# KiCad board backplane.20-slot.kicad_pcb
date: 2024-10-28; rev: V1.0
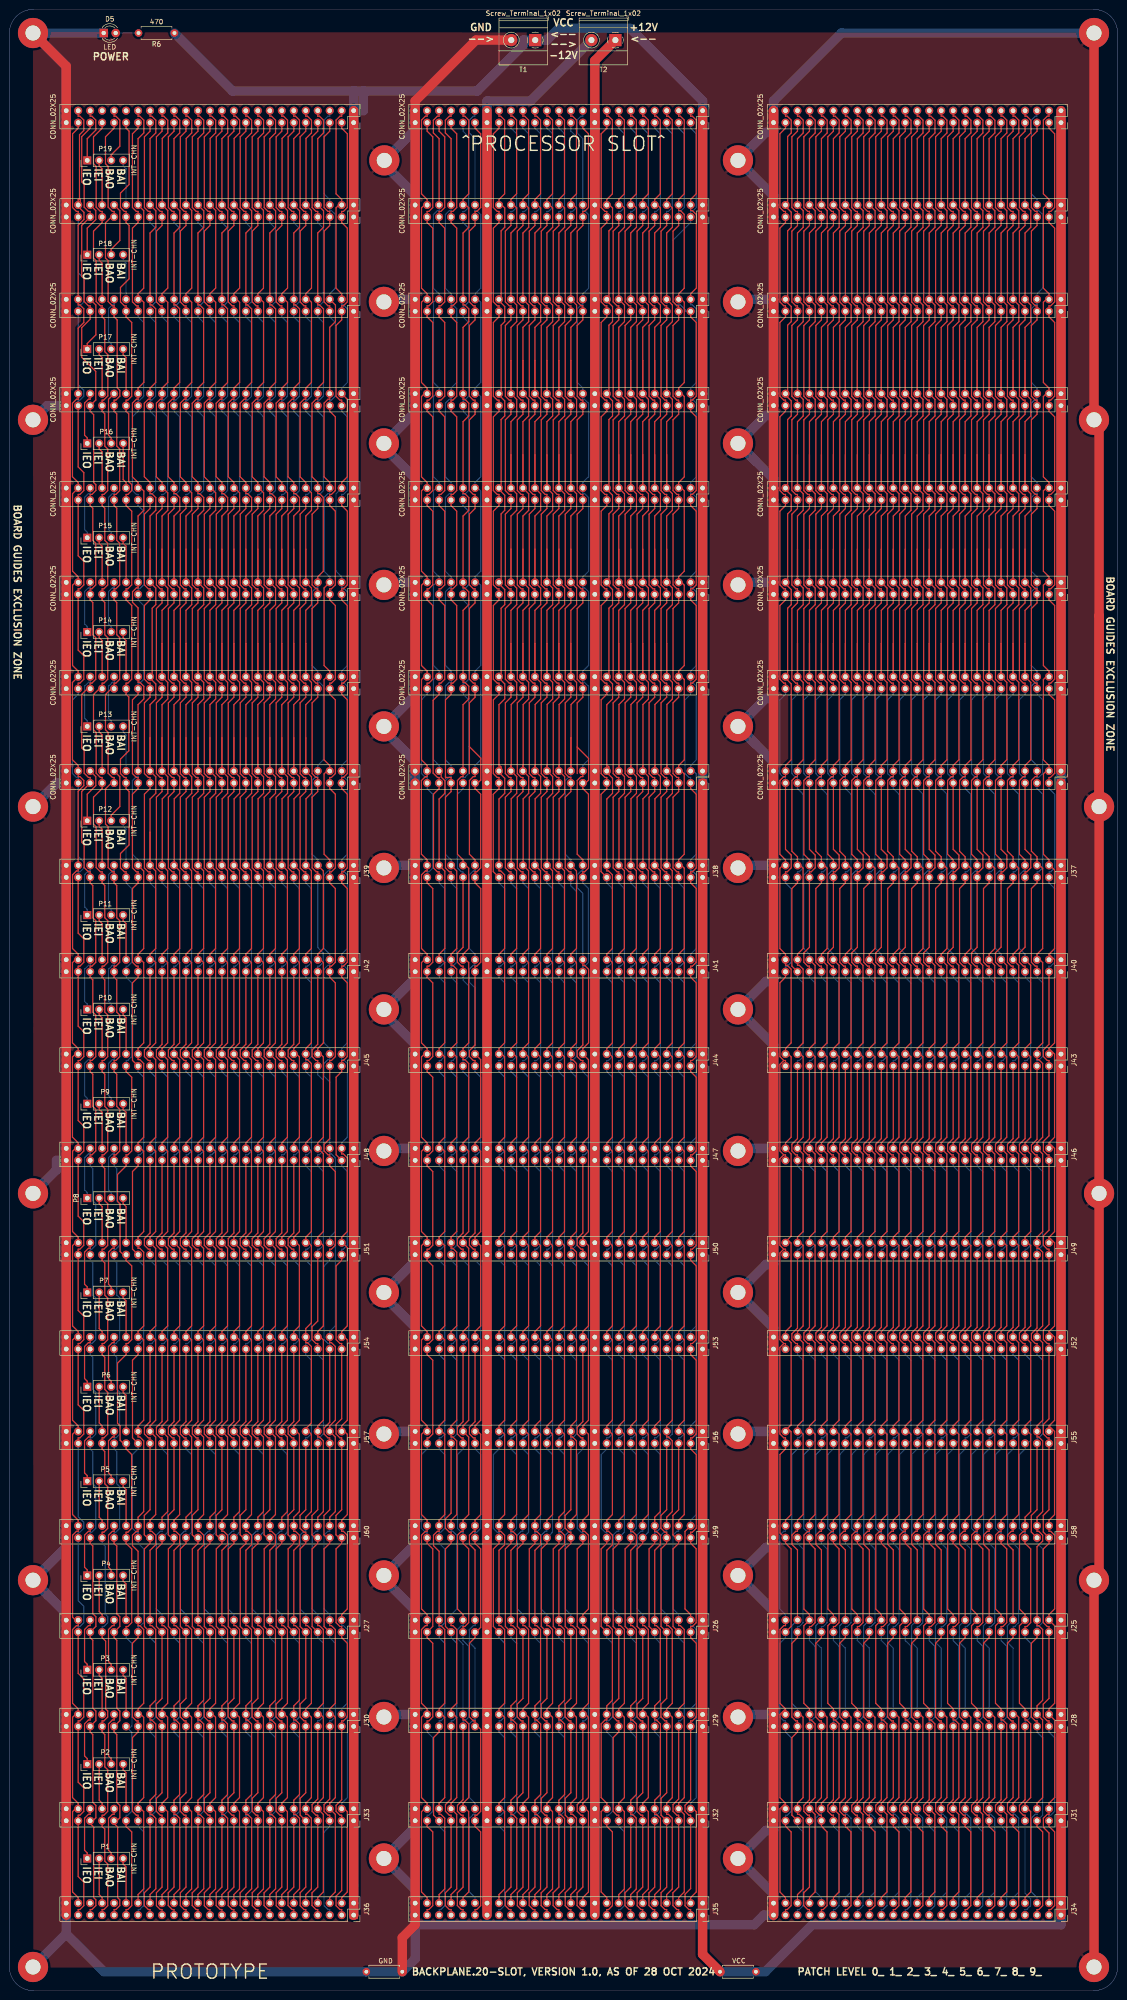
[diagram p0: board, top side]
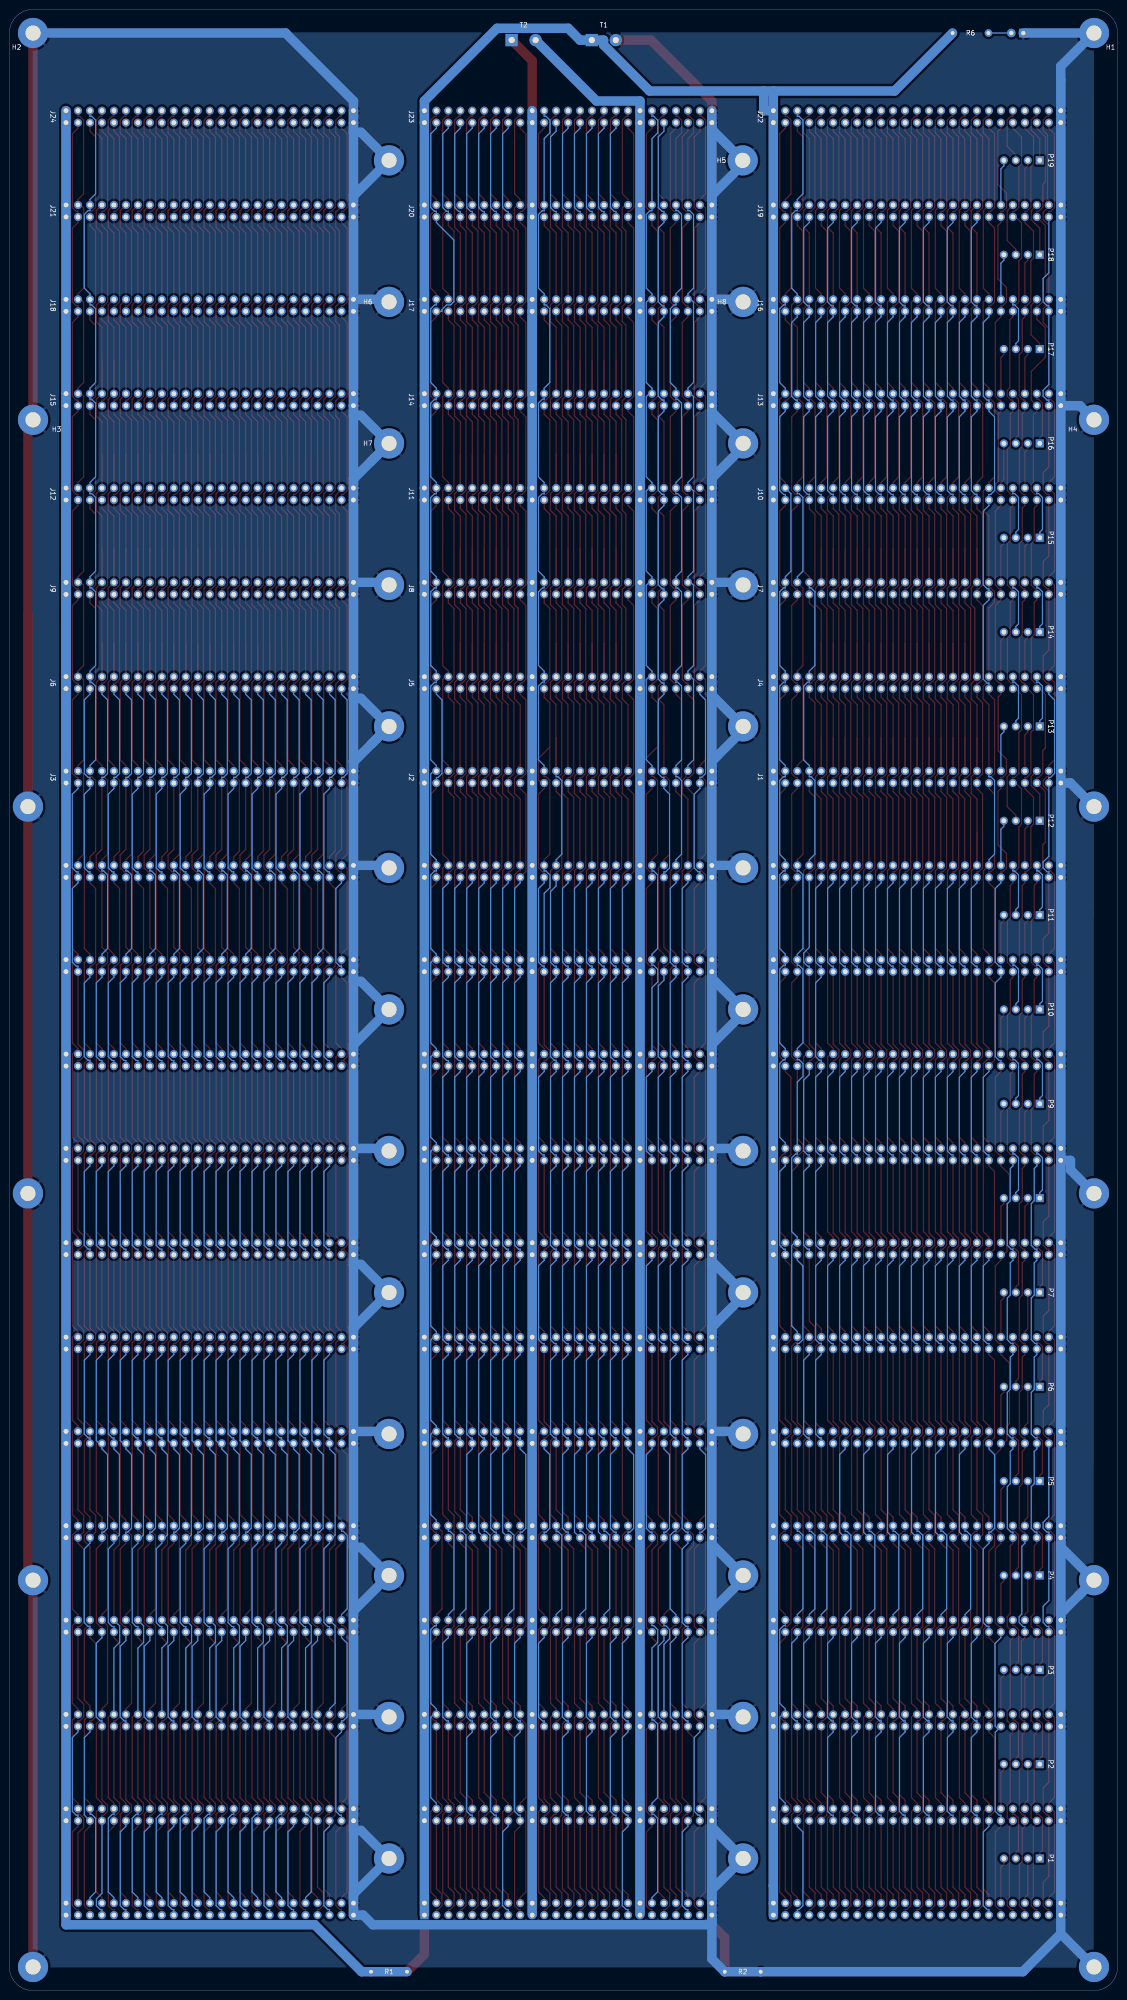
[diagram p1: board, bottom side, seen from below]

Outline 235 x 420 mm; copper layers: Top, Bottom. Coordinates in mm from the lower left corner of the outline.
Outline path: 0,415 0,5 arc(1.46,1.46) 5,0 230,0 arc(233.54,1.46) 235,5 235,415 arc(233.54,418.54) 230,420 5,420 arc(1.46,418.54) 0,415

## Placement (name value [footprint] x y rotation side)
D5  LED  [LED_D3.0mm]  20 415 0 top
H1  MountingHole  [MountingHole_3.2mm_M3_Pad]  5 415 0 top
H2  MountingHole  [MountingHole_3.2mm_M3_Pad]  230 415 0 top
H3  MountingHole  [MountingHole_3.2mm_M3_Pad]  230 333 0 top
H4  MountingHole  [MountingHole_3.2mm_M3_Pad]  5 333 0 top
H5  MountingHole  [MountingHole_3.2mm_M3_Pad]  79.5 388 0 top
H6  MountingHole  [MountingHole_3.2mm_M3_Pad]  154.5 358 0 top
H7  MountingHole  [MountingHole_3.2mm_M3_Pad]  154.5 328 0 top
H8  MountingHole  [MountingHole_3.2mm_M3_Pad]  79.41 358 0 top
H9  MountingHole  [MountingHole_3.2mm_M3_Pad]  154.5 118 0 top
H10  MountingHole  [MountingHole_3.2mm_M3_Pad]  5 169 0 top
H11  MountingHole  [MountingHole_3.2mm_M3_Pad]  154.5 208 0 top
H12  MountingHole  [MountingHole_3.2mm_M3_Pad]  154.5 388 0 top
H13  MountingHole  [MountingHole_3.2mm_M3_Pad]  154.5 148 0 top
H14  MountingHole  [MountingHole_3.2mm_M3_Pad]  231.08 169 0 top
H15  MountingHole  [MountingHole_3.2mm_M3_Pad]  154.5 268 0 top
H16  MountingHole  [MountingHole_3.2mm_M3_Pad]  231.08 251 0 top
H17  MountingHole  [MountingHole_3.2mm_M3_Pad]  154.5 298 0 top
H18  MountingHole  [MountingHole_3.2mm_M3_Pad]  79.41 328 0 top
H19  MountingHole  [MountingHole_3.2mm_M3_Pad]  5 251 0 top
H20  MountingHole  [MountingHole_3.2mm_M3_Pad]  154.5 178 0 top
H21  MountingHole  [MountingHole_3.2mm_M3_Pad]  5 5 0 top
H22  MountingHole  [MountingHole_3.2mm_M3_Pad]  230 5 0 top
H23  MountingHole  [MountingHole_3.2mm_M3_Pad]  154.5 88 0 top
H24  MountingHole  [MountingHole_3.2mm_M3_Pad]  154.5 238 0 top
H25  MountingHole  [MountingHole_3.2mm_M3_Pad]  79.41 88 0 top
H26  MountingHole  [MountingHole_3.2mm_M3_Pad]  79.41 298 0 top
H27  MountingHole  [MountingHole_3.2mm_M3_Pad]  79.41 148 0 top
H28  MountingHole  [MountingHole_3.2mm_M3_Pad]  79.41 268 0 top
H29  MountingHole  [MountingHole_3.2mm_M3_Pad]  79.41 208 0 top
H30  MountingHole  [MountingHole_3.2mm_M3_Pad]  79.41 238 0 top
H31  MountingHole  [MountingHole_3.2mm_M3_Pad]  79.41 118 0 top
H32  MountingHole  [MountingHole_3.2mm_M3_Pad]  79.41 178 0 top
H33  MountingHole  [MountingHole_3.2mm_M3_Pad]  79.41 28 0 top
H35  MountingHole  [MountingHole_3.2mm_M3_Pad]  230 87 0 top
H36  MountingHole  [MountingHole_3.2mm_M3_Pad]  154.5 58 0 top
H37  MountingHole  [MountingHole_3.2mm_M3_Pad]  154.5 28 0 top
H38  MountingHole  [MountingHole_3.2mm_M3_Pad]  79.41 58 0 top
H40  MountingHole  [MountingHole_3.2mm_M3_Pad]  5 87 0 top
J1  CONN_02X25  [PinSocket_2x25_P2.54mm_Vertical]  73 256 270 top
J2  CONN_02X25  [PinSocket_2x25_P2.54mm_Vertical]  147 256 270 top
J3  CONN_02X25  [PinSocket_2x25_P2.54mm_Vertical]  223 256 270 top
J4  CONN_02X25  [PinSocket_2x25_P2.54mm_Vertical]  73 276 270 top
J5  CONN_02X25  [PinSocket_2x25_P2.54mm_Vertical]  147 276 270 top
J6  CONN_02X25  [PinSocket_2x25_P2.54mm_Vertical]  223 276 270 top
J7  CONN_02X25  [PinSocket_2x25_P2.54mm_Vertical]  73 296 270 top
J8  CONN_02X25  [PinSocket_2x25_P2.54mm_Vertical]  147 296 270 top
J9  CONN_02X25  [PinSocket_2x25_P2.54mm_Vertical]  223 296 270 top
J10  CONN_02X25  [PinSocket_2x25_P2.54mm_Vertical]  73 316 270 top
J11  CONN_02X25  [PinSocket_2x25_P2.54mm_Vertical]  147 316 270 top
J12  CONN_02X25  [PinSocket_2x25_P2.54mm_Vertical]  223 316 270 top
J13  CONN_02X25  [PinSocket_2x25_P2.54mm_Vertical]  73 336 270 top
J14  CONN_02X25  [PinSocket_2x25_P2.54mm_Vertical]  147 336 270 top
J15  CONN_02X25  [PinSocket_2x25_P2.54mm_Vertical]  223 336 270 top
J16  CONN_02X25  [PinSocket_2x25_P2.54mm_Vertical]  73 356 270 top
J17  CONN_02X25  [PinSocket_2x25_P2.54mm_Vertical]  147 356 270 top
J18  CONN_02X25  [PinSocket_2x25_P2.54mm_Vertical]  223 356 270 top
J19  CONN_02X25  [PinSocket_2x25_P2.54mm_Vertical]  73 376 270 top
J20  CONN_02X25  [PinSocket_2x25_P2.54mm_Vertical]  147 376 270 top
J21  CONN_02X25  [PinSocket_2x25_P2.54mm_Vertical]  223 376 270 top
J22  CONN_02X25  [PinSocket_2x25_P2.54mm_Vertical]  73 396 270 top
J23  CONN_02X25  [PinSocket_2x25_P2.54mm_Vertical]  147 396 270 top
J24  CONN_02X25  [PinSocket_2x25_P2.54mm_Vertical]  223 396 270 top
J25  CONN_02X25  [PinSocket_2x25_P2.54mm_Vertical]  223 76 270 top
J26  CONN_02X25  [PinSocket_2x25_P2.54mm_Vertical]  147 76 270 top
J27  CONN_02X25  [PinSocket_2x25_P2.54mm_Vertical]  73 76 270 top
J28  CONN_02X25  [PinSocket_2x25_P2.54mm_Vertical]  223 56 270 top
J29  CONN_02X25  [PinSocket_2x25_P2.54mm_Vertical]  147 56 270 top
J30  CONN_02X25  [PinSocket_2x25_P2.54mm_Vertical]  73 56 270 top
J31  CONN_02X25  [PinSocket_2x25_P2.54mm_Vertical]  223 36 270 top
J32  CONN_02X25  [PinSocket_2x25_P2.54mm_Vertical]  147 36 270 top
J33  CONN_02X25  [PinSocket_2x25_P2.54mm_Vertical]  73 36 270 top
J34  CONN_02X25  [PinSocket_2x25_P2.54mm_Vertical]  223 16 270 top
J35  CONN_02X25  [PinSocket_2x25_P2.54mm_Vertical]  147 16 270 top
J36  CONN_02X25  [PinSocket_2x25_P2.54mm_Vertical]  73 16 270 top
J37  CONN_02X25  [PinSocket_2x25_P2.54mm_Vertical]  223 236 270 top
J38  CONN_02X25  [PinSocket_2x25_P2.54mm_Vertical]  147 236 270 top
J39  CONN_02X25  [PinSocket_2x25_P2.54mm_Vertical]  73 236 270 top
J40  CONN_02X25  [PinSocket_2x25_P2.54mm_Vertical]  223 216 270 top
J41  CONN_02X25  [PinSocket_2x25_P2.54mm_Vertical]  147 216 270 top
J42  CONN_02X25  [PinSocket_2x25_P2.54mm_Vertical]  73 216 270 top
J43  CONN_02X25  [PinSocket_2x25_P2.54mm_Vertical]  223 196 270 top
J44  CONN_02X25  [PinSocket_2x25_P2.54mm_Vertical]  147 196 270 top
J45  CONN_02X25  [PinSocket_2x25_P2.54mm_Vertical]  73 196 270 top
J46  CONN_02X25  [PinSocket_2x25_P2.54mm_Vertical]  223 176 270 top
J47  CONN_02X25  [PinSocket_2x25_P2.54mm_Vertical]  147 176 270 top
J48  CONN_02X25  [PinSocket_2x25_P2.54mm_Vertical]  73 176 270 top
J49  CONN_02X25  [PinSocket_2x25_P2.54mm_Vertical]  223 156 270 top
J50  CONN_02X25  [PinSocket_2x25_P2.54mm_Vertical]  147 156 270 top
J51  CONN_02X25  [PinSocket_2x25_P2.54mm_Vertical]  73 156 270 top
J52  CONN_02X25  [PinSocket_2x25_P2.54mm_Vertical]  223 136 270 top
J53  CONN_02X25  [PinSocket_2x25_P2.54mm_Vertical]  147 136 270 top
J54  CONN_02X25  [PinSocket_2x25_P2.54mm_Vertical]  73 136 270 top
J55  CONN_02X25  [PinSocket_2x25_P2.54mm_Vertical]  223 116 270 top
J56  CONN_02X25  [PinSocket_2x25_P2.54mm_Vertical]  147 116 270 top
J57  CONN_02X25  [PinSocket_2x25_P2.54mm_Vertical]  73 116 270 top
J58  CONN_02X25  [PinSocket_2x25_P2.54mm_Vertical]  223 96 270 top
J59  CONN_02X25  [PinSocket_2x25_P2.54mm_Vertical]  147 96 270 top
J60  CONN_02X25  [PinSocket_2x25_P2.54mm_Vertical]  73 96 270 top
P1  INT-CHN  [PinHeader_1x04_P2.54mm_Vertical]  16.5 28 90 top
P2  INT-CHN  [PinHeader_1x04_P2.54mm_Vertical]  16.5 48 90 top
P3  INT-CHN  [PinHeader_1x04_P2.54mm_Vertical]  16.5 68 90 top
P4  INT-CHN  [PinHeader_1x04_P2.54mm_Vertical]  16.5 88 90 top
P5  INT-CHN  [PinHeader_1x04_P2.54mm_Vertical]  16.5 108 90 top
P6  INT-CHN  [PinHeader_1x04_P2.54mm_Vertical]  16.5 128 90 top
P7  INT-CHN  [PinHeader_1x04_P2.54mm_Vertical]  16.5 148 90 top
P8  INT-CHN  [PinHeader_1x04_P2.54mm_Vertical]  16.5 168 90 top
P9  INT-CHN  [PinHeader_1x04_P2.54mm_Vertical]  16.5 188 90 top
P10  INT-CHN  [PinHeader_1x04_P2.54mm_Vertical]  16.5 208 90 top
P11  INT-CHN  [PinHeader_1x04_P2.54mm_Vertical]  16.5 228 90 top
P12  INT-CHN  [PinHeader_1x04_P2.54mm_Vertical]  16.5 248 90 top
P13  INT-CHN  [PinHeader_1x04_P2.54mm_Vertical]  16.5 268 90 top
P14  INT-CHN  [PinHeader_1x04_P2.54mm_Vertical]  16.5 288 90 top
P15  INT-CHN  [PinHeader_1x04_P2.54mm_Vertical]  16.5 308 90 top
P16  INT-CHN  [PinHeader_1x04_P2.54mm_Vertical]  16.5 328 90 top
P17  INT-CHN  [PinHeader_1x04_P2.54mm_Vertical]  16.5 348 90 top
P18  INT-CHN  [PinHeader_1x04_P2.54mm_Vertical]  16.5 368 90 top
P19  INT-CHN  [PinHeader_1x04_P2.54mm_Vertical]  16.5 388 90 top
R1  0  [R_Axial_DIN0207_L6.3mm_D2.5mm_P7.62mm_Horizontal]  150.69 4 0 top
R2  0  [R_Axial_DIN0207_L6.3mm_D2.5mm_P7.62mm_Horizontal]  75.69 4 0 top
R6  470  [R_Axial_DIN0207_L6.3mm_D2.5mm_P7.62mm_Horizontal]  35 415 180 top
T1  Screw_Terminal_1x02  [TerminalBlock_Phoenix_MKDS-1,5-2-5.08_1x02_P5.08mm_Horizontal]  111.5 413.5 180 top
T2  Screw_Terminal_1x02  [TerminalBlock_Phoenix_MKDS-1,5-2-5.08_1x02_P5.08mm_Horizontal]  128.5 413.5 180 top

## Footprints (pads in the part's own frame, mm; a bottom-side part is the same pattern mirrored in y, then rotated)
LED_D3.0mm
  rect 1.8x1.8 hole 0.9: 1(0,0)
  round 1.8 hole 0.9: 2(2.54,0)
MountingHole_3.2mm_M3_Pad
  round 6.4 hole 3.2: 1(0,0)
PinHeader_1x04_P2.54mm_Vertical
  rect 1.7x1.7 hole 1: 1(0,0)
  oval 1.7x1.7 hole 1: 2(0,-2.54) 3(0,-5.08) 4(0,-7.62)
PinSocket_2x25_P2.54mm_Vertical
  rect 1.7x1.7 hole 1: 1(0,0)
  oval 1.7x1.7 hole 1: 2(-2.54,0) 3(0,-2.54) 4(-2.54,-2.54) 5(0,-5.08) 6(-2.54,-5.08) 7(0,-7.62) 8(-2.54,-7.62) 9(0,-10.16) 10(-2.54,-10.16) 11(0,-12.7) 12(-2.54,-12.7) 13(0,-15.24) 14(-2.54,-15.24) 15(0,-17.78) 16(-2.54,-17.78) 17(0,-20.32) 18(-2.54,-20.32) 19(0,-22.86) 20(-2.54,-22.86) 21(0,-25.4) 22(-2.54,-25.4) 23(0,-27.94) 24(-2.54,-27.94) 25(0,-30.48) 26(-2.54,-30.48) 27(0,-33.02) 28(-2.54,-33.02) 29(0,-35.56) 30(-2.54,-35.56) 31(0,-38.1) 32(-2.54,-38.1) 33(0,-40.64) 34(-2.54,-40.64) 35(0,-43.18) 36(-2.54,-43.18) 37(0,-45.72) 38(-2.54,-45.72) 39(0,-48.26) 40(-2.54,-48.26) 41(0,-50.8) 42(-2.54,-50.8) 43(0,-53.34) 44(-2.54,-53.34) 45(0,-55.88) 46(-2.54,-55.88) 47(0,-58.42) 48(-2.54,-58.42) 49(0,-60.96) 50(-2.54,-60.96)
R_Axial_DIN0207_L6.3mm_D2.5mm_P7.62mm_Horizontal
  round 1.6 hole 0.8: 1(0,0)
  oval 1.6x1.6 hole 0.8: 2(7.62,0)
TerminalBlock_Phoenix_MKDS-1,5-2-5.08_1x02_P5.08mm_Horizontal
  rect 2.6x2.6 hole 1.3: 1(0,0)
  round 2.6 hole 1.3: 2(5.08,0)

## Nets
/+12V: J2.19 J2.20 J5.19 J5.20 J8.19 J8.20 J11.19 J11.20 J14.19 J14.20 J17.19 J17.20 J20.19 J20.20 J23.19 J23.20 J26.19 J26.20 J29.19 J29.20 J32.19 J32.20 J35.19 J35.20 J38.19 J38.20 J41.19 J41.20 J44.19 J44.20 J47.19 J47.20 J50.19 J50.20 J53.19 J53.20 J56.19 J56.20 J59.19 J59.20 T2.1
/-12V: J2.37 J2.38 J5.37 J5.38 J8.37 J8.38 J11.37 J11.38 J14.37 J14.38 J17.37 J17.38 J20.37 J20.38 J23.37 J23.38 J26.37 J26.38 J29.37 J29.38 J32.37 J32.38 J35.37 J35.38 J38.37 J38.38 J41.37 J41.38 J44.37 J44.38 J47.37 J47.38 J50.37 J50.38 J53.37 J53.38 J56.37 J56.38 J59.37 J59.38 T2.2
GND: D5.1 H1.1 H2.1 H3.1 H4.1 H5.1 H6.1 H7.1 H8.1 H9.1 H10.1 H11.1 H12.1 H13.1 H14.1 H15.1 H16.1 H17.1 H18.1 H19.1 H20.1 H21.1 H22.1 H23.1 H24.1 H25.1 H26.1 H27.1 H28.1 H29.1 H30.1 H31.1 H32.1 H33.1 H35.1 H36.1 H37.1 H38.1 H40.1 J1.49 J1.50 J2.49 J2.50 J3.49 J3.50 J4.49 J4.50 J5.49 J5.50 J6.49 J6.50 J7.49 J7.50 J8.49 J8.50 J9.49 J9.50 J10.49 J10.50 J11.49 J11.50 J12.49 J12.50 J13.49 J13.50 J14.49 J14.50 J15.49 J15.50 J16.49 J16.50 J17.49 J17.50 J18.49 J18.50 J19.49 J19.50 J20.49 J20.50 J21.49 J21.50 J22.49 J22.50 J23.49 J23.50 J24.49 J24.50 J25.49 J25.50 J26.49 J26.50 J27.49 J27.50 J28.49 J28.50 J29.49 J29.50 J30.49 J30.50 J31.49 J31.50 J32.49 J32.50 J33.49 J33.50 J34.49 J34.50 J35.49 J35.50 J36.49 J36.50 J37.49 J37.50 J38.49 J38.50 J39.49 J39.50 J40.49 J40.50 J41.49 J41.50 J42.49 J42.50 J43.49 J43.50 J44.49 J44.50 J45.49 J45.50 J46.49 J46.50 J47.49 J47.50 J48.49 J48.50 J49.49 J49.50 J50.49 J50.50 J51.49 J51.50 J52.49 J52.50 J53.49 J53.50 J54.49 J54.50 J55.49 J55.50 J56.49 J56.50 J57.49 J57.50 J58.49 J58.50 J59.49 J59.50 J60.49 J60.50 R2.1 R2.2 T1.2
VCC: J1.1 J1.2 J2.1 J2.2 J3.1 J3.2 J4.1 J4.2 J5.1 J5.2 J6.1 J6.2 J7.1 J7.2 J8.1 J8.2 J9.1 J9.2 J10.1 J10.2 J11.1 J11.2 J12.1 J12.2 J13.1 J13.2 J14.1 J14.2 J15.1 J15.2 J16.1 J16.2 J17.1 J17.2 J18.1 J18.2 J19.1 J19.2 J20.1 J20.2 J21.1 J21.2 J22.1 J22.2 J23.1 J23.2 J24.1 J24.2 J25.1 J25.2 J26.1 J26.2 J27.1 J27.2 J28.1 J28.2 J29.1 J29.2 J30.1 J30.2 J31.1 J31.2 J32.1 J32.2 J33.1 J33.2 J34.1 J34.2 J35.1 J35.2 J36.1 J36.2 J37.1 J37.2 J38.1 J38.2 J39.1 J39.2 J40.1 J40.2 J41.1 J41.2 J42.1 J42.2 J43.1 J43.2 J44.1 J44.2 J45.1 J45.2 J46.1 J46.2 J47.1 J47.2 J48.1 J48.2 J49.1 J49.2 J50.1 J50.2 J51.1 J51.2 J52.1 J52.2 J53.1 J53.2 J54.1 J54.2 J55.1 J55.2 J56.1 J56.2 J57.1 J57.2 J58.1 J58.2 J59.1 J59.2 J60.1 J60.2 R1.1 R1.2 R6.1 T1.1
/A0: J2.35 J5.35 J8.35 J11.35 J14.35 J17.35 J20.35 J23.35 J26.35 J29.35 J32.35 J35.35 J38.35 J41.35 J44.35 J47.35 J50.35 J53.35 J56.35 J59.35
/A1: J2.33 J5.33 J8.33 J11.33 J14.33 J17.33 J20.33 J23.33 J26.33 J29.33 J32.33 J35.33 J38.33 J41.33 J44.33 J47.33 J50.33 J53.33 J56.33 J59.33
/A2: J2.31 J5.31 J8.31 J11.31 J14.31 J17.31 J20.31 J23.31 J26.31 J29.31 J32.31 J35.31 J38.31 J41.31 J44.31 J47.31 J50.31 J53.31 J56.31 J59.31
/A3: J2.29 J5.29 J8.29 J11.29 J14.29 J17.29 J20.29 J23.29 J26.29 J29.29 J32.29 J35.29 J38.29 J41.29 J44.29 J47.29 J50.29 J53.29 J56.29 J59.29
/A4: J2.27 J5.27 J8.27 J11.27 J14.27 J17.27 J20.27 J23.27 J26.27 J29.27 J32.27 J35.27 J38.27 J41.27 J44.27 J47.27 J50.27 J53.27 J56.27 J59.27
/A5: J2.25 J5.25 J8.25 J11.25 J14.25 J17.25 J20.25 J23.25 J26.25 J29.25 J32.25 J35.25 J38.25 J41.25 J44.25 J47.25 J50.25 J53.25 J56.25 J59.25
/A6: J2.23 J5.23 J8.23 J11.23 J14.23 J17.23 J20.23 J23.23 J26.23 J29.23 J32.23 J35.23 J38.23 J41.23 J44.23 J47.23 J50.23 J53.23 J56.23 J59.23
/A7: J2.21 J5.21 J8.21 J11.21 J14.21 J17.21 J20.21 J23.21 J26.21 J29.21 J32.21 J35.21 J38.21 J41.21 J44.21 J47.21 J50.21 J53.21 J56.21 J59.21
/A8: J2.17 J5.17 J8.17 J11.17 J14.17 J17.17 J20.17 J23.17 J26.17 J29.17 J32.17 J35.17 J38.17 J41.17 J44.17 J47.17 J50.17 J53.17 J56.17 J59.17
/A9: J2.15 J5.15 J8.15 J11.15 J14.15 J17.15 J20.15 J23.15 J26.15 J29.15 J32.15 J35.15 J38.15 J41.15 J44.15 J47.15 J50.15 J53.15 J56.15 J59.15
/A10: J2.13 J5.13 J8.13 J11.13 J14.13 J17.13 J20.13 J23.13 J26.13 J29.13 J32.13 J35.13 J38.13 J41.13 J44.13 J47.13 J50.13 J53.13 J56.13 J59.13
/A11: J2.11 J5.11 J8.11 J11.11 J14.11 J17.11 J20.11 J23.11 J26.11 J29.11 J32.11 J35.11 J38.11 J41.11 J44.11 J47.11 J50.11 J53.11 J56.11 J59.11
/A12: J2.9 J5.9 J8.9 J11.9 J14.9 J17.9 J20.9 J23.9 J26.9 J29.9 J32.9 J35.9 J38.9 J41.9 J44.9 J47.9 J50.9 J53.9 J56.9 J59.9
/A13: J2.7 J5.7 J8.7 J11.7 J14.7 J17.7 J20.7 J23.7 J26.7 J29.7 J32.7 J35.7 J38.7 J41.7 J44.7 J47.7 J50.7 J53.7 J56.7 J59.7
/A14: J2.5 J5.5 J8.5 J11.5 J14.5 J17.5 J20.5 J23.5 J26.5 J29.5 J32.5 J35.5 J38.5 J41.5 J44.5 J47.5 J50.5 J53.5 J56.5 J59.5
/A15: J2.3 J5.3 J8.3 J11.3 J14.3 J17.3 J20.3 J23.3 J26.3 J29.3 J32.3 J35.3 J38.3 J41.3 J44.3 J47.3 J50.3 J53.3 J56.3 J59.3
/A16: J2.36 J5.36 J8.36 J11.36 J14.36 J17.36 J20.36 J23.36 J26.36 J29.36 J32.36 J35.36 J38.36 J41.36 J44.36 J47.36 J50.36 J53.36 J56.36 J59.36
/A17: J2.34 J5.34 J8.34 J11.34 J14.34 J17.34 J20.34 J23.34 J26.34 J29.34 J32.34 J35.34 J38.34 J41.34 J44.34 J47.34 J50.34 J53.34 J56.34 J59.34
/A18: J2.32 J5.32 J8.32 J11.32 J14.32 J17.32 J20.32 J23.32 J26.32 J29.32 J32.32 J35.32 J38.32 J41.32 J44.32 J47.32 J50.32 J53.32 J56.32 J59.32
/A19: J2.30 J5.30 J8.30 J11.30 J14.30 J17.30 J20.30 J23.30 J26.30 J29.30 J32.30 J35.30 J38.30 J41.30 J44.30 J47.30 J50.30 J53.30 J56.30 J59.30
/A20: J2.28 J5.28 J8.28 J11.28 J14.28 J17.28 J20.28 J23.28 J26.28 J29.28 J32.28 J35.28 J38.28 J41.28 J44.28 J47.28 J50.28 J53.28 J56.28 J59.28
/A21: J2.26 J5.26 J8.26 J11.26 J14.26 J17.26 J20.26 J23.26 J26.26 J29.26 J32.26 J35.26 J38.26 J41.26 J44.26 J47.26 J50.26 J53.26 J56.26 J59.26
/A22: J2.24 J5.24 J8.24 J11.24 J14.24 J17.24 J20.24 J23.24 J26.24 J29.24 J32.24 J35.24 J38.24 J41.24 J44.24 J47.24 J50.24 J53.24 J56.24 J59.24
/A23: J2.22 J5.22 J8.22 J11.22 J14.22 J17.22 J20.22 J23.22 J26.22 J29.22 J32.22 J35.22 J38.22 J41.22 J44.22 J47.22 J50.22 J53.22 J56.22 J59.22
/A24: J2.18 J5.18 J8.18 J11.18 J14.18 J17.18 J20.18 J23.18 J26.18 J29.18 J32.18 J35.18 J38.18 J41.18 J44.18 J47.18 J50.18 J53.18 J56.18 J59.18
/A25: J2.16 J5.16 J8.16 J11.16 J14.16 J17.16 J20.16 J23.16 J26.16 J29.16 J32.16 J35.16 J38.16 J41.16 J44.16 J47.16 J50.16 J53.16 J56.16 J59.16
/A26: J2.14 J5.14 J8.14 J11.14 J14.14 J17.14 J20.14 J23.14 J26.14 J29.14 J32.14 J35.14 J38.14 J41.14 J44.14 J47.14 J50.14 J53.14 J56.14 J59.14
/A27: J2.12 J5.12 J8.12 J11.12 J14.12 J17.12 J20.12 J23.12 J26.12 J29.12 J32.12 J35.12 J38.12 J41.12 J44.12 J47.12 J50.12 J53.12 J56.12 J59.12
/A28: J2.10 J5.10 J8.10 J11.10 J14.10 J17.10 J20.10 J23.10 J26.10 J29.10 J32.10 J35.10 J38.10 J41.10 J44.10 J47.10 J50.10 J53.10 J56.10 J59.10
/A29: J2.8 J5.8 J8.8 J11.8 J14.8 J17.8 J20.8 J23.8 J26.8 J29.8 J32.8 J35.8 J38.8 J41.8 J44.8 J47.8 J50.8 J53.8 J56.8 J59.8
/A30: J2.6 J5.6 J8.6 J11.6 J14.6 J17.6 J20.6 J23.6 J26.6 J29.6 J32.6 J35.6 J38.6 J41.6 J44.6 J47.6 J50.6 J53.6 J56.6 J59.6
/A31: J2.4 J5.4 J8.4 J11.4 J14.4 J17.4 J20.4 J23.4 J26.4 J29.4 J32.4 J35.4 J38.4 J41.4 J44.4 J47.4 J50.4 J53.4 J56.4 J59.4
/AUXCLK0: J2.48 J5.48 J8.48 J11.48 J14.48 J17.48 J20.48 J23.48 J26.48 J29.48 J32.48 J35.48 J38.48 J41.48 J44.48 J47.48 J50.48 J53.48 J56.48 J59.48
/AUXCLK1: J2.47 J5.47 J8.47 J11.47 J14.47 J17.47 J20.47 J23.47 J26.47 J29.47 J32.47 J35.47 J38.47 J41.47 J44.47 J47.47 J50.47 J53.47 J56.47 J59.47
/AUXCLK2: J3.48 J6.48 J9.48 J12.48 J15.48 J18.48 J21.48 J24.48 J25.48 J28.48 J31.48 J34.48 J37.48 J40.48 J43.48 J46.48 J49.48 J52.48 J55.48 J58.48
/AUXCLK3: J3.46 J6.46 J9.46 J12.46 J15.46 J18.46 J21.46 J24.46 J25.46 J28.46 J31.46 J34.46 J37.46 J40.46 J43.46 J46.46 J49.46 J52.46 J55.46 J58.46
/CLK: J1.15 J4.15 J7.15 J10.15 J13.15 J16.15 J19.15 J22.15 J27.15 J30.15 J33.15 J36.15 J39.15 J42.15 J45.15 J48.15 J51.15 J54.15 J57.15 J60.15
/CRUCLK: J1.14 J4.14 J7.14 J10.14 J13.14 J16.14 J19.14 J22.14 J27.14 J30.14 J33.14 J36.14 J39.14 J42.14 J45.14 J48.14 J51.14 J54.14 J57.14 J60.14
/CRUIN: J1.18 J4.18 J7.18 J10.18 J13.18 J16.18 J19.18 J22.18 J27.18 J30.18 J33.18 J36.18 J39.18 J42.18 J45.18 J48.18 J51.18 J54.18 J57.18 J60.18
/CRUOUT: J1.16 J4.16 J7.16 J10.16 J13.16 J16.16 J19.16 J22.16 J27.16 J30.16 J33.16 J36.16 J39.16 J42.16 J45.16 J48.16 J51.16 J54.16 J57.16 J60.16
/D0: J3.33 J6.33 J9.33 J12.33 J15.33 J18.33 J21.33 J24.33 J25.33 J28.33 J31.33 J34.33 J37.33 J40.33 J43.33 J46.33 J49.33 J52.33 J55.33 J58.33
/D1: J3.31 J6.31 J9.31 J12.31 J15.31 J18.31 J21.31 J24.31 J25.31 J28.31 J31.31 J34.31 J37.31 J40.31 J43.31 J46.31 J49.31 J52.31 J55.31 J58.31
/D2: J3.29 J6.29 J9.29 J12.29 J15.29 J18.29 J21.29 J24.29 J25.29 J28.29 J31.29 J34.29 J37.29 J40.29 J43.29 J46.29 J49.29 J52.29 J55.29 J58.29
/D3: J3.27 J6.27 J9.27 J12.27 J15.27 J18.27 J21.27 J24.27 J25.27 J28.27 J31.27 J34.27 J37.27 J40.27 J43.27 J46.27 J49.27 J52.27 J55.27 J58.27
/D4: J3.25 J6.25 J9.25 J12.25 J15.25 J18.25 J21.25 J24.25 J25.25 J28.25 J31.25 J34.25 J37.25 J40.25 J43.25 J46.25 J49.25 J52.25 J55.25 J58.25
/D5: J3.23 J6.23 J9.23 J12.23 J15.23 J18.23 J21.23 J24.23 J25.23 J28.23 J31.23 J34.23 J37.23 J40.23 J43.23 J46.23 J49.23 J52.23 J55.23 J58.23
/D6: J3.21 J6.21 J9.21 J12.21 J15.21 J18.21 J21.21 J24.21 J25.21 J28.21 J31.21 J34.21 J37.21 J40.21 J43.21 J46.21 J49.21 J52.21 J55.21 J58.21
/D7: J3.19 J6.19 J9.19 J12.19 J15.19 J18.19 J21.19 J24.19 J25.19 J28.19 J31.19 J34.19 J37.19 J40.19 J43.19 J46.19 J49.19 J52.19 J55.19 J58.19
/D8: J3.17 J6.17 J9.17 J12.17 J15.17 J18.17 J21.17 J24.17 J25.17 J28.17 J31.17 J34.17 J37.17 J40.17 J43.17 J46.17 J49.17 J52.17 J55.17 J58.17
/D9: J3.15 J6.15 J9.15 J12.15 J15.15 J18.15 J21.15 J24.15 J25.15 J28.15 J31.15 J34.15 J37.15 J40.15 J43.15 J46.15 J49.15 J52.15 J55.15 J58.15
/D10: J3.13 J6.13 J9.13 J12.13 J15.13 J18.13 J21.13 J24.13 J25.13 J28.13 J31.13 J34.13 J37.13 J40.13 J43.13 J46.13 J49.13 J52.13 J55.13 J58.13
/D11: J3.11 J6.11 J9.11 J12.11 J15.11 J18.11 J21.11 J24.11 J25.11 J28.11 J31.11 J34.11 J37.11 J40.11 J43.11 J46.11 J49.11 J52.11 J55.11 J58.11
/D12: J3.9 J6.9 J9.9 J12.9 J15.9 J18.9 J21.9 J24.9 J25.9 J28.9 J31.9 J34.9 J37.9 J40.9 J43.9 J46.9 J49.9 J52.9 J55.9 J58.9
/D13: J3.7 J6.7 J9.7 J12.7 J15.7 J18.7 J21.7 J24.7 J25.7 J28.7 J31.7 J34.7 J37.7 J40.7 J43.7 J46.7 J49.7 J52.7 J55.7 J58.7
/D14: J3.5 J6.5 J9.5 J12.5 J15.5 J18.5 J21.5 J24.5 J25.5 J28.5 J31.5 J34.5 J37.5 J40.5 J43.5 J46.5 J49.5 J52.5 J55.5 J58.5
/D15: J3.3 J6.3 J9.3 J12.3 J15.3 J18.3 J21.3 J24.3 J25.3 J28.3 J31.3 J34.3 J37.3 J40.3 J43.3 J46.3 J49.3 J52.3 J55.3 J58.3
/D16: J3.34 J6.34 J9.34 J12.34 J15.34 J18.34 J21.34 J24.34 J25.34 J28.34 J31.34 J34.34 J37.34 J40.34 J43.34 J46.34 J49.34 J52.34 J55.34 J58.34
/D17: J3.32 J6.32 J9.32 J12.32 J15.32 J18.32 J21.32 J24.32 J25.32 J28.32 J31.32 J34.32 J37.32 J40.32 J43.32 J46.32 J49.32 J52.32 J55.32 J58.32
/D18: J3.30 J6.30 J9.30 J12.30 J15.30 J18.30 J21.30 J24.30 J25.30 J28.30 J31.30 J34.30 J37.30 J40.30 J43.30 J46.30 J49.30 J52.30 J55.30 J58.30
/D19: J3.28 J6.28 J9.28 J12.28 J15.28 J18.28 J21.28 J24.28 J25.28 J28.28 J31.28 J34.28 J37.28 J40.28 J43.28 J46.28 J49.28 J52.28 J55.28 J58.28
/D20: J3.26 J6.26 J9.26 J12.26 J15.26 J18.26 J21.26 J24.26 J25.26 J28.26 J31.26 J34.26 J37.26 J40.26 J43.26 J46.26 J49.26 J52.26 J55.26 J58.26
/D21: J3.24 J6.24 J9.24 J12.24 J15.24 J18.24 J21.24 J24.24 J25.24 J28.24 J31.24 J34.24 J37.24 J40.24 J43.24 J46.24 J49.24 J52.24 J55.24 J58.24
/D22: J3.22 J6.22 J9.22 J12.22 J15.22 J18.22 J21.22 J24.22 J25.22 J28.22 J31.22 J34.22 J37.22 J40.22 J43.22 J46.22 J49.22 J52.22 J55.22 J58.22